# Altium PCB IntelligentCarFor51PcbDoc.PcbDoc (part 14 of 14)
Units mil, origin at the board's own origin, x right, y up, seen from the top; angles counter-clockwise.
Board outline 2298.05 x 2090.03 mil, 2 copper layers (Top Layer, Bottom Layer); 55 components, 66 nets, 258 pads, 143 vias.
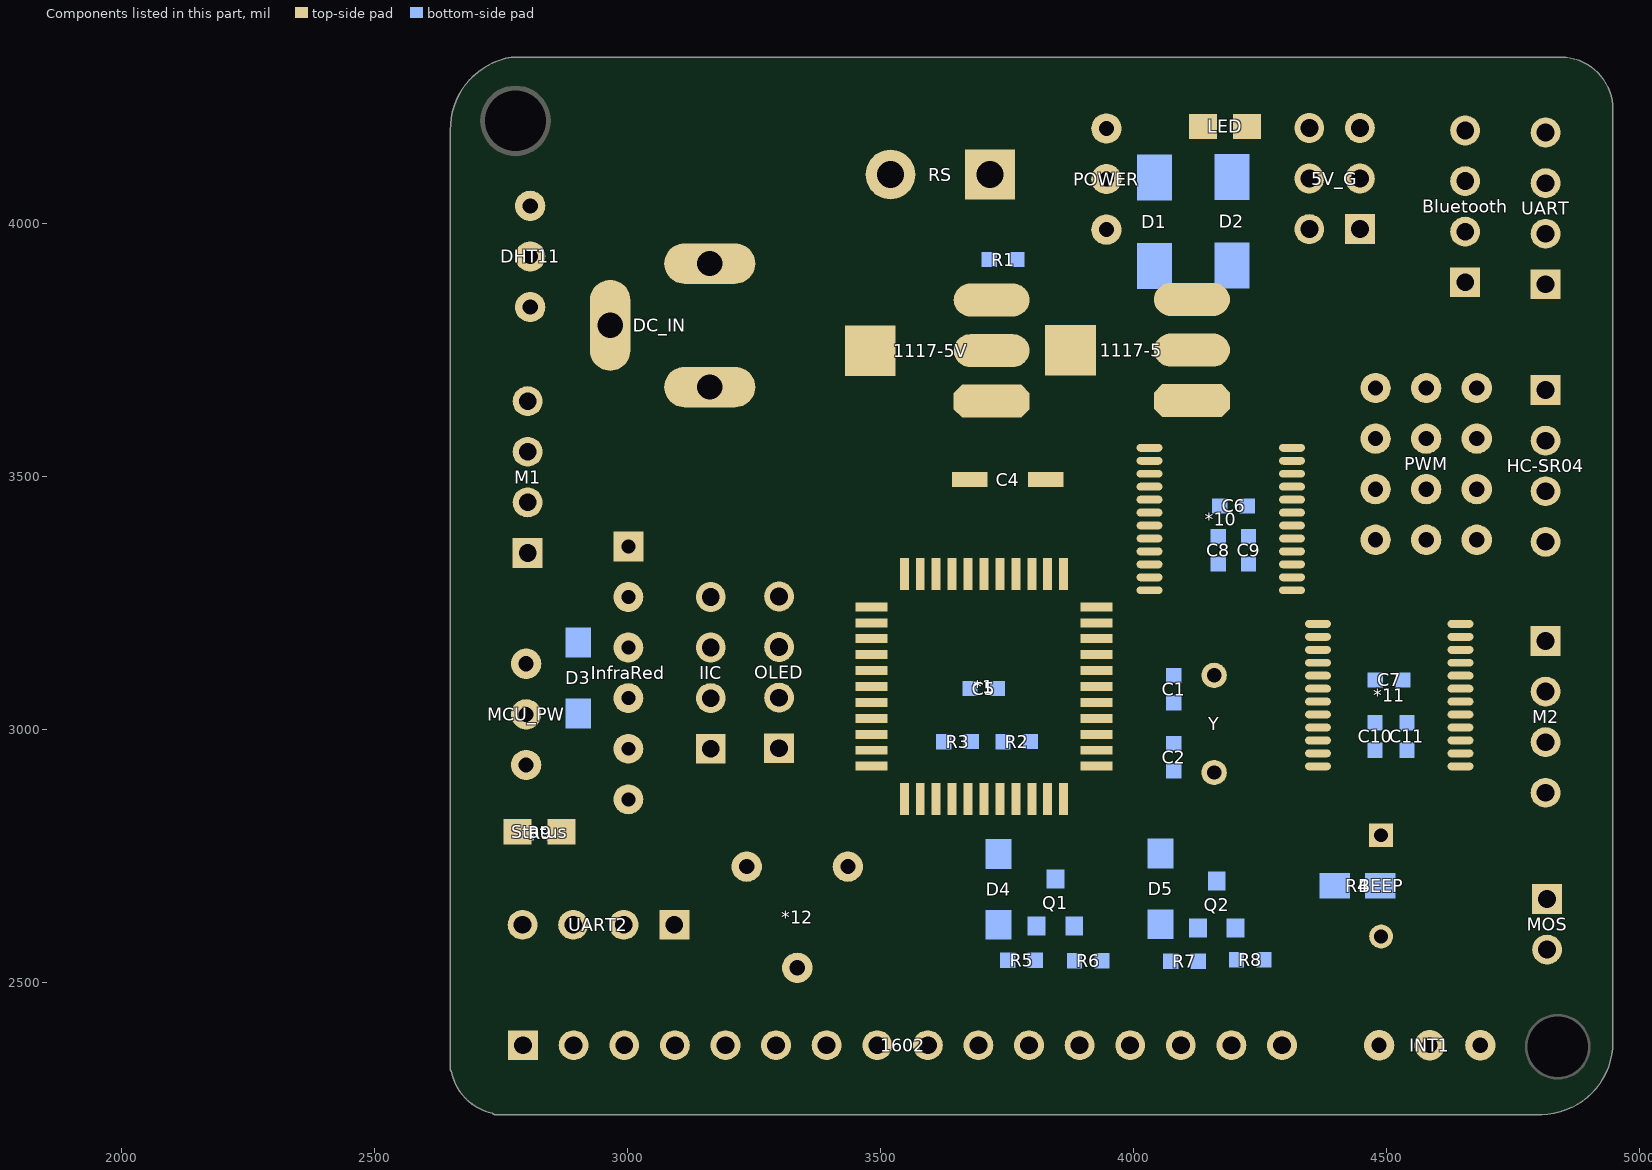
[diagram p14: the components of this part, seen from the top]

## Via types
v1: diameter 12, hole 8, Top Layer to Bottom Layer, 53 vias
v2: diameter 10, hole 7, Top Layer to Bottom Layer, 20 vias
v3: diameter 20, hole 12, Top Layer to Bottom Layer, 15 vias
v4: diameter 35, hole 25, Top Layer to Bottom Layer, 13 vias
v5: diameter 15, hole 10, Top Layer to Bottom Layer, 10 vias
v6: diameter 18, hole 12, Top Layer to Bottom Layer, 10 vias
v7: diameter 50, hole 35, Top Layer to Bottom Layer, 7 vias
v8: diameter 30, hole 20, Top Layer to Bottom Layer, 5 vias
v9: diameter 12, hole 7, Top Layer to Bottom Layer, 3 vias
v10: diameter 25, hole 18, Top Layer to Bottom Layer, 2 vias
v11: diameter 40, hole 30, Top Layer to Bottom Layer, 2 vias
v12: diameter 8, hole 7, Top Layer to Bottom Layer, 1 vias
v13: diameter 30, hole 22, Top Layer to Bottom Layer, 1 vias
v14: diameter 24, hole 18, Top Layer to Bottom Layer, 1 vias

## Nets (pads, with @x,y where several pads share a name; then routed paths per layer and width w, separated by ;. In a path a pad name is that pad's centre, name@x,y a point inside that pad or via, vN(x,y) a via of type N, cw(c..) or ccw(c..) an arc to the next point about the centre after c; other vN are vias at no path point) (continued)
copper on no net: (continued)
  Top Layer w0.5: 2307,2935.9 2315.5,2935.9 ; 2307,2993.9 2321.5,2993.9 ; 2307.5,2888.4 2308.5,2888.4 ; 2307.5,2901.4 2314,2901.4 ; 2308,2887.4 2309,2887.4 ; 2308,2887.9 2309,2887.9 ; 2308,2888.9 2308.5,2888.9 ; 2308,2889.4 2309,2889.4 ; 2308,2889.9 2309,2889.9 ; 2308,2900.9 2313.5,2900.9 ; 2308.5,2886.9 2310,2886.9 ; 2308.5,2890.4 2309.5,2890.4 ; 2308.5,2900.4 2313,2900.4 ; 2309,2886.4 2312.5,2886.4 ; 2309,2890.9 2312.5,2890.9 ; 2309,2899.9 2312.5,2899.9 ; 2309.5,2885.9 2312,2885.9 ; 2309.5,2899.4 2312,2899.4 ; 2310,2846.9 2311,2846.9 ; 2310,2881.4 2311,2881.4 ; 2310,2881.9 2311.5,2881.9 ; 2310,2882.4 2311.5,2882.4 ; 2310,2882.9 2311,2882.9 ; 2310,2891.4 2311.5,2891.4 ; 2312,2886.9 2313,2886.9 ; 2312,2890.4 2313,2890.4 ; 2312,2993.4 2324,2993.4 ; 2312.5,2887.4 2313.5,2887.4 ; 2312.5,2887.9 2313.5,2887.9 ; 2312.5,2889.4 2313.5,2889.4 ; 2312.5,2889.9 2313.5,2889.9 ; 2313,2888.4 2313.5,2888.4 ; 2313,2888.9 2313.5,2888.9 ; 2313.5,2857.4 2338.5,2857.4 ; 2313.5,2893.9 2315.5,2893.9 ; 2313.5,2919.9 2324.5,2919.9 ; 2314,2893.4 2315.5,2893.4 ; 2314,2894.4 2315.5,2894.4 ; 2315,2992.9 2326,2992.9 ; 2315.5,2864.9 2317,2864.9 ; 2315.5,2865.4 2318.5,2865.4 ; 2315.5,2865.9 2320,2865.9 ; 2315.5,2866.4 2321,2866.4 ; 2315.5,2866.9 2322,2866.9 ; 2315.5,2867.4 2323,2867.4 ; 2315.5,2867.9 2324,2867.9 ; 2315.5,2868.4 2324.5,2868.4 ; 2315.5,2868.9 2325,2868.9 ; 2315.5,2869.4 2326,2869.4 ; 2315.5,2869.9 2326.5,2869.9 ; 2315.5,2870.4 2327,2870.4 ; 2315.5,2870.9 2327.5,2870.9 ; 2315.5,2871.4 2328,2871.4 ; 2315.5,2871.9 2328.5,2871.9 ; 2315.5,2872.4 2329,2872.4 ; 2315.5,2872.9 2329.5,2872.9 ; 2315.5,2873.4 2330,2873.4 ; 2315.5,2873.9 2330.5,2873.9 ; 2315.5,2874.4 2331,2874.4 ; 2315.5,2874.9 2331,2874.9 ; 2315.5,2875.4 2331.5,2875.4 ; 2315.5,2875.9 2331.5,2875.9 ; 2315.5,2876.4 2332,2876.4 ; 2315.5,2876.9 2332,2876.9 ; 2315.5,2877.4 2330.5,2877.4 ; 2315.5,2877.9 2329,2877.9 ; 2316,2878.4 2327,2878.4 ; 2316,2878.9 2325,2878.9 ; 2316,2879.4 2323.5,2879.4 ; 2316,2879.9 2322,2879.9 ; 2316,2886.4 2318,2886.4 ; 2316,2886.9 2318,2886.9 ; 2316.5,2857.9 2339,2857.9 ; 2316.5,2880.4 2320,2880.4 ; 2316.5,2885.9 2317.5,2885.9 ; 2316.5,2887.4 2317.5,2887.4 ; 2317,2919.4 2325.5,2919.4 ; 2319,2858.4 2339.5,2858.4 ; 2319,2918.9 2326.5,2918.9 ; 2319,2992.4 2329,2992.4 ; 2320.5,2858.9 2340,2858.9 ; 2320.5,2891.4 2335,2891.4 ; 2320.5,2891.9 2335,2891.9 ; 2320.5,2892.4 2335,2892.4 ; 2320.5,2892.9 2335,2892.9 ; 2320.5,2893.4 2335,2893.4 ; 2320.5,2918.4 2327.5,2918.4 ; 2321,2890.9 2335,2890.9 ; 2321,2893.9 2334.5,2893.9 ; 2321,2894.4 2334.5,2894.4 ; 2321,2924.9 2343,2924.9 ; 2321.5,2890.4 2335,2890.4 ; 2321.5,2894.9 2334.5,2894.9 ; 2322,2859.4 2340.5,2859.4 ; 2322,2895.4 2334.5,2895.4 ; 2322,2895.9 2334,2895.9 ; 2322,2917.9 2328,2917.9 ; 2322,2991.9 2332,2991.9 ; 2322.5,2896.4 2334,2896.4 ; 2322.5,2896.9 2334,2896.9 ; 2323,2859.9 2341,2859.9 ; 2323,2889.9 2335,2889.9 ; 2323,2897.4 2333.5,2897.4 ; 2323,2917.4 2328.5,2917.4 ; 2323,2924.4 2344,2924.4 ; 2323.5,2897.9 2333.5,2897.9 ; 2324,2898.4 2333.5,2898.4 ; 2324,2898.9 2333,2898.9 ; 2324.5,2860.4 2341.5,2860.4 ; 2324.5,2889.4 2335,2889.4 ; 2324.5,2899.4 2333,2899.4 ; 2324.5,2916.9 2329.5,2916.9 ; 2324.5,2923.9 2344.5,2923.9 ; 2325,2899.9 2332.5,2899.9 ; 2325,2900.4 2332.5,2900.4 ; 2325,2916.4 2330,2916.4 ; 2325,2991.4 2334,2991.4 ; 2325.5,2860.9 2342,2860.9 ; 2325.5,2900.9 2332,2900.9 ; 2326,2861.4 2342.5,2861.4 ; 2326,2888.9 2335,2888.9 ; 2326,2901.4 2331.5,2901.4 ; 2326,2901.9 2331.5,2901.9 ; 2326,2915.9 2330.5,2915.9 ; 2326,2923.4 2345,2923.4 ; 2326.5,2902.4 2331,2902.4 ; 2327,2861.9 2343,2861.9 ; 2327,2888.4 2335,2888.4 ; 2327,2902.9 2331,2902.9 ; 2327,2903.4 2330.5,2903.4 ; 2327,2915.4 2331,2915.4 ; 2327.5,2903.9 2330,2903.9 ; 2327.5,2922.9 2345.5,2922.9 ; 2327.5,2990.9 2336.5,2990.9 ; 2328,2862.4 2343,2862.4 ; 2328,2904.4 2329.5,2904.4 ; 2328,2904.9 2329,2904.9 ; 2328,2914.9 2331.5,2914.9 ; 2328,2922.4 2346,2922.4 ; 2328.5,2862.9 2343.5,2862.9 ; 2328.5,2887.9 2335,2887.9 ; 2328.5,2914.4 2332,2914.4 ; 2329,2913.9 2332.5,2913.9 ; 2329,2921.9 2346.5,2921.9 ; 2329.5,2863.4 2344,2863.4 ; 2329.5,2887.4 2335,2887.4 ; 2329.5,2990.4 2338,2990.4 ; 2330,2863.9 2344.5,2863.9 ; 2330,2913.4 2333,2913.4 ; 2330,2921.4 2347,2921.4 ; 2330.5,2864.4 2345,2864.4 ; 2330.5,2912.9 2333.5,2912.9 ; 2330.5,2920.9 2347.5,2920.9 ; 2331,2864.9 2345,2864.9 ; 2331,2886.9 2335,2886.9 ; 2331,2912.4 2334,2912.4 ; 2331.5,2865.4 2345.5,2865.4 ; 2331.5,2911.9 2335,2911.9 ; 2331.5,2920.4 2348,2920.4 ; 2331.5,2989.9 2340,2989.9 ; 2332,2865.9 2346,2865.9 ; 2332,2911.4 2351.5,2911.4 ; 2332,2919.9 2348.5,2919.9 ; 2332.5,2886.4 2335,2886.4 ; 2332.5,2919.4 2349,2919.4 ; 2333,2866.4 2346,2866.4 ; 2333,2910.9 2350,2910.9 ; 2333,2918.9 2350,2918.9 ; 2333.5,2866.9 2346.5,2866.9 ; 2333.5,2909.9 2433,2909.9 ; 2333.5,2910.4 2433,2910.4 ; 2333.5,2918.4 2387,2918.4 ; 2334,2867.4 2346.5,2867.4 ; 2334,2867.9 2347,2867.9 ; 2334,2885.9 2335,2885.9 ; 2334,2909.4 2433,2909.4 ; 2334,2917.9 2385,2917.9 ; 2334,2989.4 2342,2989.4 ; 2334.5,2868.4 2347,2868.4 ; 2334.5,2908.9 2432.5,2908.9 ; 2334.5,2917.4 2382,2917.4 ; 2335,2868.9 2347.5,2868.9 ; 2335,2908.4 2432.5,2908.4 ; 2335,2916.4 2377,2916.4 ; 2335,2916.9 2379.5,2916.9 ; 2335,2974.4 2407.5,2974.4 ; 2335.5,2869.4 2348,2869.4 ; 2335.5,2907.9 2432.5,2907.9 ; 2335.5,2915.9 2375,2915.9 ; 2336,2869.9 2348,2869.9 ; 2336,2870.4 2348.5,2870.4 ; 2336,2906.9 2432.5,2906.9 ; 2336,2907.4 2432.5,2907.4 ; 2336,2914.9 2371,2914.9 ; 2336,2915.4 2373,2915.4 ; 2336.5,2870.9 2348.5,2870.9 ; 2336.5,2906.4 2432.5,2906.4 ; 2336.5,2911.9 2355,2911.9 ; 2336.5,2912.4 2358,2912.4 ; 2336.5,2913.4 2363,2913.4 ; 2336.5,2913.9 2365.5,2913.9 ; 2336.5,2914.4 2368.5,2914.4 ; 2336.5,2988.9 2344,2988.9 ; 2337,2871.4 2349,2871.4 ; 2337,2871.9 2349,2871.9 ; 2337,2905.4 2431.5,2905.4 ; 2337,2905.9 2432,2905.9 ; 2337,2912.9 2360.5,2912.9 ; 2337.5,2872.4 2349,2872.4 ; 2337.5,2904.9 2431,2904.9 ; 2338,2872.9 2349.5,2872.9 ; 2338,2873.4 2349.5,2873.4 ; 2338,2903.9 2430.5,2903.9 ; 2338,2904.4 2431,2904.4 ; 2338.5,2873.9 2349.5,2873.9 ; 2338.5,2874.4 2350,2874.4 ; 2338.5,2902.9 2430.5,2902.9 ; 2338.5,2903.4 2430.5,2903.4 ; 2338.5,2988.4 2346,2988.4 ; 2339,2874.9 2350,2874.9 ; 2339,2875.4 2350.5,2875.4 ; 2339,2901.9 2430,2901.9 ; 2339,2902.4 2430,2902.4 ; 2339.5,2875.9 2350.5,2875.9 ; 2339.5,2876.4 2350.5,2876.4 ; 2339.5,2876.9 2351,2876.9 ; 2339.5,2900.9 2430,2900.9 ; 2339.5,2901.4 2430,2901.4 ; 2340,2877.4 2351,2877.4 ; 2340,2877.9 2351,2877.9 ; 2340,2899.4 2429.5,2899.4 ; 2340,2899.9 2429.5,2899.9 ; 2340,2900.4 2429.5,2900.4 ; 2340,2959.4 2409.5,2959.4 ; 2340.5,2878.4 2351.5,2878.4 ; 2340.5,2878.9 2351.5,2878.9 ; 2340.5,2879.4 2351.5,2879.4 ; 2340.5,2879.9 2352,2879.9 ; 2340.5,2897.4 2429,2897.4 ; 2340.5,2897.9 2429,2897.9 ; 2340.5,2898.4 2429,2898.4 ; 2340.5,2898.9 2429,2898.9 ; 2340.5,2987.9 2347,2987.9 ; 2341,2880.4 2406,2880.4 ; 2341,2880.9 2407,2880.9 ; 2341,2881.4 2408.5,2881.4 ; 2341,2895.4 2428.5,2895.4 ; 2341,2895.9 2428.5,2895.9 ; 2341,2896.4 2428.5,2896.4 ; 2341,2896.9 2428.5,2896.9 ; 2341.5,2881.9 2410,2881.9 ; 2341.5,2882.4 2411,2882.4 ; 2341.5,2882.9 2412.5,2882.9 ; 2341.5,2883.4 2413.5,2883.4 ; 2341.5,2883.9 2414.5,2883.9 ; 2341.5,2884.4 2415,2884.4 ; 2341.5,2893.4 2422.5,2893.4 ; 2341.5,2893.9 2423,2893.9 ; 2341.5,2894.4 2423.5,2894.4 ; 2341.5,2894.9 2423.5,2894.9 ; 2342,2884.9 2415,2884.9 ; 2342,2885.4 2416,2885.4 ; 2342,2885.9 2427.5,2885.9 ; 2342,2886.4 2427.5,2886.4 ; 2342,2886.9 2424,2886.9 ; 2342,2887.4 2415.5,2887.4 ; 2342,2887.9 2416.5,2887.9 ; 2342,2888.4 2427.5,2888.4 ; 2342,2888.9 2428,2888.9 ; 2342,2889.4 2428,2889.4 ; 2342,2889.9 2428,2889.9 ; 2342,2890.4 2428,2890.4 ; 2342,2890.9 2428,2890.9 ; 2342,2891.4 2424,2891.4 ; 2342,2891.9 2421.5,2891.9 ; 2342,2892.4 2421.5,2892.4 ; 2342,2892.9 2422,2892.9 ; 2342,2987.4 2349,2987.4 ; 2344,2986.9 2350.5,2986.9 ; 2345.5,2986.4 2352,2986.4 ; 2346,2974.9 2406,2974.9 ; 2347.5,2985.9 2353.5,2985.9 ; 2349,2985.4 2355,2985.4 ; 2350.5,2975.4 2403.5,2975.4 ; 2350.5,2984.9 2356.5,2984.9 ; 2352,2984.4 2357.5,2984.4 ; 2352.5,2879.9 2404,2879.9 ; 2353,2879.4 2403,2879.4 ; 2353.5,2918.9 2388,2918.9 ; 2353.5,2975.9 2401.5,2975.9 ; 2353.5,2983.9 2359,2983.9 ; 2354,2878.9 2401.5,2878.9 ; 2354.5,2878.4 2400,2878.4 ; 2355,2910.9 2433,2910.9 ; 2355,2983.4 2360,2983.4 ; 2355.5,2877.4 2396.5,2877.4 ; 2355.5,2877.9 2398,2877.9 ; 2355.5,2919.4 2389.5,2919.4 ; 2355.5,2976.4 2399,2976.4 ; 2356,2873.4 2379,2873.4 ; 2356,2873.9 2381.5,2873.9 ; 2356,2874.4 2384,2874.4 ; 2356,2874.9 2386,2874.9 ; 2356,2875.4 2388.5,2875.4 ; 2356,2875.9 2391,2875.9 ; 2356,2876.4 2392.5,2876.4 ; 2356,2876.9 2394.5,2876.9 ; 2356.5,2872.4 2373,2872.4 ; 2356.5,2872.9 2376,2872.9 ; 2356.5,2919.9 2390.5,2919.9 ; 2356.5,2982.9 2361,2982.9 ; 2357,2871.9 2369,2871.9 ; 2357.5,2982.4 2362,2982.4 ; 2358,2871.4 2366,2871.4 ; 2358,2920.4 2391.5,2920.4 ; 2358,2976.9 2397,2976.9 ; 2358.5,2981.9 2363,2981.9 ; 2359,2870.9 2362.5,2870.9 ; 2359,2920.9 2392,2920.9 ; 2359.5,2921.4 2393,2921.4 ; 2360,2921.9 2393.5,2921.9 ; 2360,2977.4 2393.5,2977.4 ; 2360,2981.4 2364,2981.4 ; 2361,2922.4 2394,2922.4 ; 2361,2980.9 2364.5,2980.9 ; 2361.5,2922.9 2394.5,2922.9 ; 2361.5,2977.9 2390.5,2977.9 ; 2361.5,2980.4 2369.5,2980.4 ; 2362,2923.4 2395,2923.4 ; 2362.5,2923.9 2395.5,2923.9 ; 2362.5,2979.9 2376,2979.9 ; 2363,2924.4 2396,2924.4 ; 2363,2978.4 2387,2978.4 ; 2363.5,2924.9 2396,2924.9 ; 2363.5,2978.9 2384,2978.9 ; 2363.5,2979.4 2380,2979.4 ; 2364,2925.4 2396.5,2925.4 ; 2364.5,2925.9 2396.5,2925.9 ; 2364.5,2926.4 2397,2926.4 ; 2365,2926.9 2397,2926.9 ; 2365.5,2927.4 2397.5,2927.4 ; 2366,2927.9 2397.5,2927.9 ; 2366,2928.4 2397.5,2928.4 ; 2366.5,2928.9 2397.5,2928.9 ; 2367,2929.4 2398,2929.4 ; 2367.5,2929.9 2398,2929.9 ; 2368,2930.4 2398,2930.4 ; 2368.5,2930.9 2398,2930.9 ; 2369,2931.4 2398.5,2931.4 ; 2369.5,2931.9 2398.5,2931.9 ; 2370,2932.4 2398.5,2932.4 ; 2370.5,2932.9 2398.5,2932.9 ; 2371,2933.4 2398.5,2933.4 ; 2371.5,2933.9 2398.5,2933.9 ; 2372,2934.4 2398.5,2934.4 ; 2372.5,2934.9 2398.5,2934.9 ; 2373,2935.4 2398.5,2935.4 ; 2374,2935.9 2398.5,2935.9 ; 2374.5,2936.4 2398.5,2936.4 ; 2375,2936.9 2398.5,2936.9 ; 2375.5,2937.4 2398.5,2937.4 ; 2376.5,2937.9 2398.5,2937.9 ; 2377.5,2938.4 2398.5,2938.4 ; 2378,2938.9 2398.5,2938.9 ; 2379,2939.4 2398.5,2939.4 ; 2379.5,2939.9 2398,2939.9 ; 2380.5,2940.4 2398,2940.4 ; 2381.5,2940.9 2398,2940.9 ; 2382.5,2941.4 2398,2941.4 ; 2383,2941.9 2398,2941.9 ; 2383.5,2911.4 2433,2911.4 ; 2384,2942.4 2398,2942.4 ; 2385,2942.9 2398,2942.9 ; 2386,2943.4 2398,2943.4 ; 2387.5,2943.9 2398,2943.9 ; 2388.5,2944.4 2398,2944.4 ; 2390,2944.9 2427.5,2944.9 ; 2391,2918.9 2392.5,2918.9 ; 2391,2945.4 2427,2945.4 ; 2391,2958.9 2391.5,2958.9 ; 2391.5,2911.9 2433,2911.9 ; 2391.5,2919.4 2395,2919.4 ; 2392.5,2919.9 2397.5,2919.9 ; 2392.5,2945.9 2419.5,2945.9 ; 2393,2958.9 2393.5,2958.9 ; 2393.5,2920.4 2400.5,2920.4 ; 2393.5,2946.4 2399,2946.4 ; 2394,2920.9 2403,2920.9 ; 2394,2956.9 2396,2956.9 ; 2394,2957.4 2396.5,2957.4 ; 2394,2957.9 2400,2957.9 ; 2394,2958.4 2404,2958.4 ; 2394,2958.9 2406.5,2958.9 ; 2394.5,2921.4 2405.5,2921.4 ; 2394.5,2955.9 2396.5,2955.9 ; 2394.5,2956.4 2396,2956.4 ; 2395,2921.9 2407,2921.9 ; 2395,2946.9 2399,2946.9 ; 2395,2954.9 2397,2954.9 ; 2395,2955.4 2396.5,2955.4 ; 2395.5,2922.4 2409.5,2922.4 ; 2395.5,2953.9 2397,2953.9 ; 2395.5,2954.4 2397,2954.4 ; 2396,2922.9 2411,2922.9 ; 2396,2952.4 2397.5,2952.4 ; 2396,2952.9 2397.5,2952.9 ; 2396,2953.4 2397.5,2953.4 ; 2396.5,2923.4 2413,2923.4 ; 2396.5,2950.4 2398,2950.4 ; 2396.5,2950.9 2398,2950.9 ; 2396.5,2951.4 2398,2951.4 ; 2396.5,2951.9 2397.5,2951.9 ; 2397,2912.4 2433,2912.4 ; 2397,2923.9 2415,2923.9 ; 2397,2924.4 2416.5,2924.4 ; 2397,2947.4 2399,2947.4 ; 2397,2947.9 2398.5,2947.9 ; 2397,2948.4 2398.5,2948.4 ; 2397,2948.9 2398.5,2948.9 ; 2397,2949.4 2398.5,2949.4 ; 2397,2949.9 2398,2949.9 ; 2397.5,2924.9 2417.5,2924.9 ; 2397.5,2925.4 2419,2925.4 ; 2398,2925.9 2420,2925.9 ; 2398,2926.4 2421,2926.4 ; 2398.5,2926.9 2422,2926.9 ; 2398.5,2927.4 2423,2927.4 ; 2398.5,2927.9 2423.5,2927.9 ; 2398.5,2944.4 2427.5,2944.4 ; 2399,2928.4 2427,2928.4 ; 2399,2928.9 2426.5,2928.9 ; 2399,2929.4 2426,2929.4 ; 2399,2941.4 2427.5,2941.4 ; 2399,2941.9 2427.5,2941.9 ; 2399,2942.4 2427.5,2942.4 ; 2399,2942.9 2427.5,2942.9 ; 2399,2943.4 2427.5,2943.4 ; 2399,2943.9 2427.5,2943.9 ; 2399.5,2929.9 2426.5,2929.9 ; 2399.5,2930.4 2426.5,2930.4 ; 2399.5,2930.9 2426.5,2930.9 ; 2399.5,2931.4 2426.5,2931.4 ; 2399.5,2931.9 2426.5,2931.9 ; 2399.5,2932.4 2426.5,2932.4 ; 2399.5,2932.9 2427,2932.9 ; 2399.5,2933.4 2427,2933.4 ; 2399.5,2933.9 2427,2933.9 ; 2399.5,2934.4 2427,2934.4 ; 2399.5,2934.9 2427,2934.9 ; 2399.5,2935.4 2427,2935.4 ; 2399.5,2935.9 2427,2935.9 ; 2399.5,2936.4 2427,2936.4 ; 2399.5,2936.9 2427,2936.9 ; 2399.5,2937.4 2427,2937.4 ; 2399.5,2937.9 2427,2937.9 ; 2399.5,2938.4 2427,2938.4 ; 2399.5,2938.9 2427.5,2938.9 ; 2399.5,2939.4 2427.5,2939.4 ; 2399.5,2939.9 2427.5,2939.9 ; 2399.5,2940.4 2427.5,2940.4 ; 2399.5,2940.9 2427.5,2940.9 ; 2401.5,2912.9 2433,2912.9 ; 2404,2953.9 2419,2953.9 ; 2404,2954.4 2419,2954.4 ; 2404,2954.9 2405,2954.9 ; 2404.5,2951.9 2419,2951.9 ; 2404.5,2952.4 2419,2952.4 ; 2404.5,2952.9 2419,2952.9 ; 2404.5,2953.4 2419,2953.4 ; 2405,2913.4 2433,2913.4 ; 2405,2949.4 2406,2949.4 ; 2405,2949.9 2406,2949.9 ; 2405,2950.4 2406,2950.4 ; 2405,2950.9 2419,2950.9 ; 2405,2951.4 2419,2951.4 ; 2405.5,2947.4 2406.5,2947.4 ; 2405.5,2947.9 2406.5,2947.9 ; 2405.5,2948.4 2406,2948.4 ; 2405.5,2948.9 2406,2948.9 ; 2406,2955.9 2408,2955.9 ; 2407,2956.4 2408,2956.4 ; 2407.5,2956.9 2408,2956.9 ; 2407.5,2957.4 2408,2957.4 ; 2409,2913.9 2433,2913.9 ; 2409.5,2955.9 2411,2955.9 ; 2410,2956.4 2411.5,2956.4 ; 2410.5,2956.9 2411.5,2956.9 ; 2412.5,2914.4 2433.5,2914.4 ; 2412.5,2955.9 2414.5,2955.9 ; 2413.5,2956.4 2414.5,2956.4 ; 2413.5,2956.9 2414.5,2956.9 ; 2414,2957.4 2414.5,2957.4 ; 2415,2914.9 2433.5,2914.9 ; 2416,2955.9 2417.5,2955.9 ; 2416.5,2885.4 2427.5,2885.4 ; 2416.5,2956.4 2417.5,2956.4 ; 2417,2956.9 2417.5,2956.9 ; 2417,2957.4 2417.5,2957.4 ; 2417.5,2915.4 2433.5,2915.4 ; 2418.5,2955.9 2420.5,2955.9 ; 2419.5,2915.9 2433.5,2915.9 ; 2419.5,2956.4 2420.5,2956.4 ; 2420,2887.9 2427.5,2887.9 ; 2420,2956.9 2420.5,2956.9 ; 2420,2957.4 2420.5,2957.4 ; 2421,2961.9 2424,2961.9 ; 2421.5,2916.4 2433.5,2916.4 ; 2421.5,2960.4 2424.5,2960.4 ; 2421.5,2960.9 2424,2960.9 ; 2421.5,2961.4 2424,2961.4 ; 2422,2959.4 2424.5,2959.4 ; 2422,2959.9 2424.5,2959.9 ; 2422.5,2957.9 2425.5,2957.9 ; 2422.5,2958.4 2425,2958.4 ; 2422.5,2958.9 2425,2958.9 ; 2423,2955.9 2426,2955.9 ; 2423,2956.4 2426,2956.4 ; 2423,2956.9 2425.5,2956.9 ; 2423,2957.4 2425.5,2957.4 ; 2423.5,2953.4 2426.5,2953.4 ; 2423.5,2953.9 2426.5,2953.9 ; 2423.5,2954.4 2426,2954.4 ; 2423.5,2954.9 2426,2954.9 ; 2423.5,2955.4 2426,2955.4 ; 2424,2916.9 2433.5,2916.9 ; 2424,2945.9 2427,2945.9 ; 2424,2947.4 2427,2947.4 ; 2424,2947.9 2427,2947.9 ; 2424,2948.4 2427,2948.4 ; 2424,2948.9 2427,2948.9 ; 2424,2949.4 2427,2949.4 ; 2424,2949.9 2427,2949.9 ; 2424,2950.4 2427,2950.4 ; 2424,2950.9 2427,2950.9 ; 2424,2951.4 2426.5,2951.4 ; 2424,2951.9 2426.5,2951.9 ; 2424,2952.4 2426.5,2952.4 ; 2424,2952.9 2426.5,2952.9 ; 2424.5,2927.9 2427.5,2927.9 ; 2424.5,2946.4 2427,2946.4 ; 2424.5,2946.9 2427,2946.9 ; 2425,2886.9 2427.5,2886.9 ; 2425,2927.4 2428,2927.4 ; 2425.5,2884.9 2427,2884.9 ; 2425.5,2887.4 2427.5,2887.4 ; 2425.5,2891.4 2428,2891.4 ; 2425.5,2926.9 2429,2926.9 ; 2426,2891.9 2428,2891.9 ; 2426,2892.4 2428,2892.4 ; 2426,2892.9 2428,2892.9 ; 2426,2893.4 2428.5,2893.4 ; 2426,2893.9 2428.5,2893.9 ; 2426,2894.4 2428.5,2894.4 ; 2426,2894.9 2428.5,2894.9 ; 2426,2917.4 2433.5,2917.4 ; 2426.5,2926.4 2429.5,2926.4 ; 2427,2925.9 2430,2925.9 ; 2427.5,2925.4 2430.5,2925.4 ; 2428,2917.9 2433.5,2917.9 ; 2428.5,2924.9 2431,2924.9 ; 2429,2924.4 2431.5,2924.4 ; 2429.5,2923.9 2432,2923.9 ; 2430,2918.4 2433.5,2918.4 ; 2430,2923.4 2432.5,2923.4 ; 2430.5,2922.9 2433,2922.9 ; 2431,2918.9 2433.5,2918.9 ; 2431,2921.9 2433,2921.9 ; 2431,2922.4 2433,2922.4 ; 2431.5,2919.9 2433.5,2919.9 ; 2431.5,2920.4 2433.5,2920.4 ; 2431.5,2920.9 2433.5,2920.9 ; 2431.5,2921.4 2433.5,2921.4 ; 2432,2919.4 2433.5,2919.4
  Bottom Layer w8: 3633.29,3009.16 3652,3027.87 3652,3039

## Keep-outs
Keep-Out Layer:
  lines w10: 2655,2329 2655,4183 ; 2655,2346 ccw(c2756,2345) 2755,2244 ; 2655.42,4180.78 cw(c2794.33,4186.76) 2772,4324 4846,4324 cw(c4845,4226) 4943,4225 4943,2384 cw(c4805,2382) 4807,2244 2738,2244

## Silkscreen, mask and mechanical layers (free items; w line width, h text height)
Top Overlay:
  text "—    7-12V" at 3776,4310 h80 r180
  text "ON" at 3983,4304 h60 r180
  text "G    D   5V" at 2694,4053 h60 r270
  text "5V  G   TX  RX" at 4914,3856 h60 r90
  text "A2  A1  B2  B1" at 2692,3675 h60 r270
  text "4     3    2    1  GND 5V" at 2892,3371 h60 r270
  text "G  INT1 IO  5V" at 4914,3349 h60 r90
  text "TB6612" at 4211,3283 h80 r90
  text "12C5A60S2" at 3542,3030 h70
  text "TB6612" at 4510,2936 h80 r90
  text "G   5V SCL SDA" at 3403,2933 h60 r90
  text "A4  A3  B4  B3" at 4917,2849 h60 r90
  text "RX2 TX2  G  5V" at 2740,2681 h60
  text "103" at 3278,2612 h80
  text "智能车" at 3622,2535 h200
  text "GND 5V" at 4919,2514 h60 r90
  text "VS  VD  V0  RS  RW  E   D0  D1  D2  D3  D4  D5  D6  D7   A    K" at 2744,2274 h61
  text "INT0 5V  GND" at 4439,2272 h55
Top Solder:
  drawing of 19855 lines, arcs and shapes, not listed

## Text inside footprints (layer, text, board x,y; h text height)
1117-5: Top Overlay "1117-5V" at 3972,3650 h60 r90
PWM: Top Overlay "4" at 4429,3690 h27.56 r180; Top Overlay "VCC" at 4614,3325 h27.56 r180; Top Overlay "GND" at 4719,3324 h27.56 r180; Top Overlay "IO" at 4504,3325 h27.56 r180; Top Overlay "1" at 4426,3383 h27.56 r180; Top Overlay "2" at 4430,3490 h27.56 r180; Top Overlay "3" at 4430,3594 h27.56 r180